# KiCad board radioboard_original.kicad_pcb (continued)
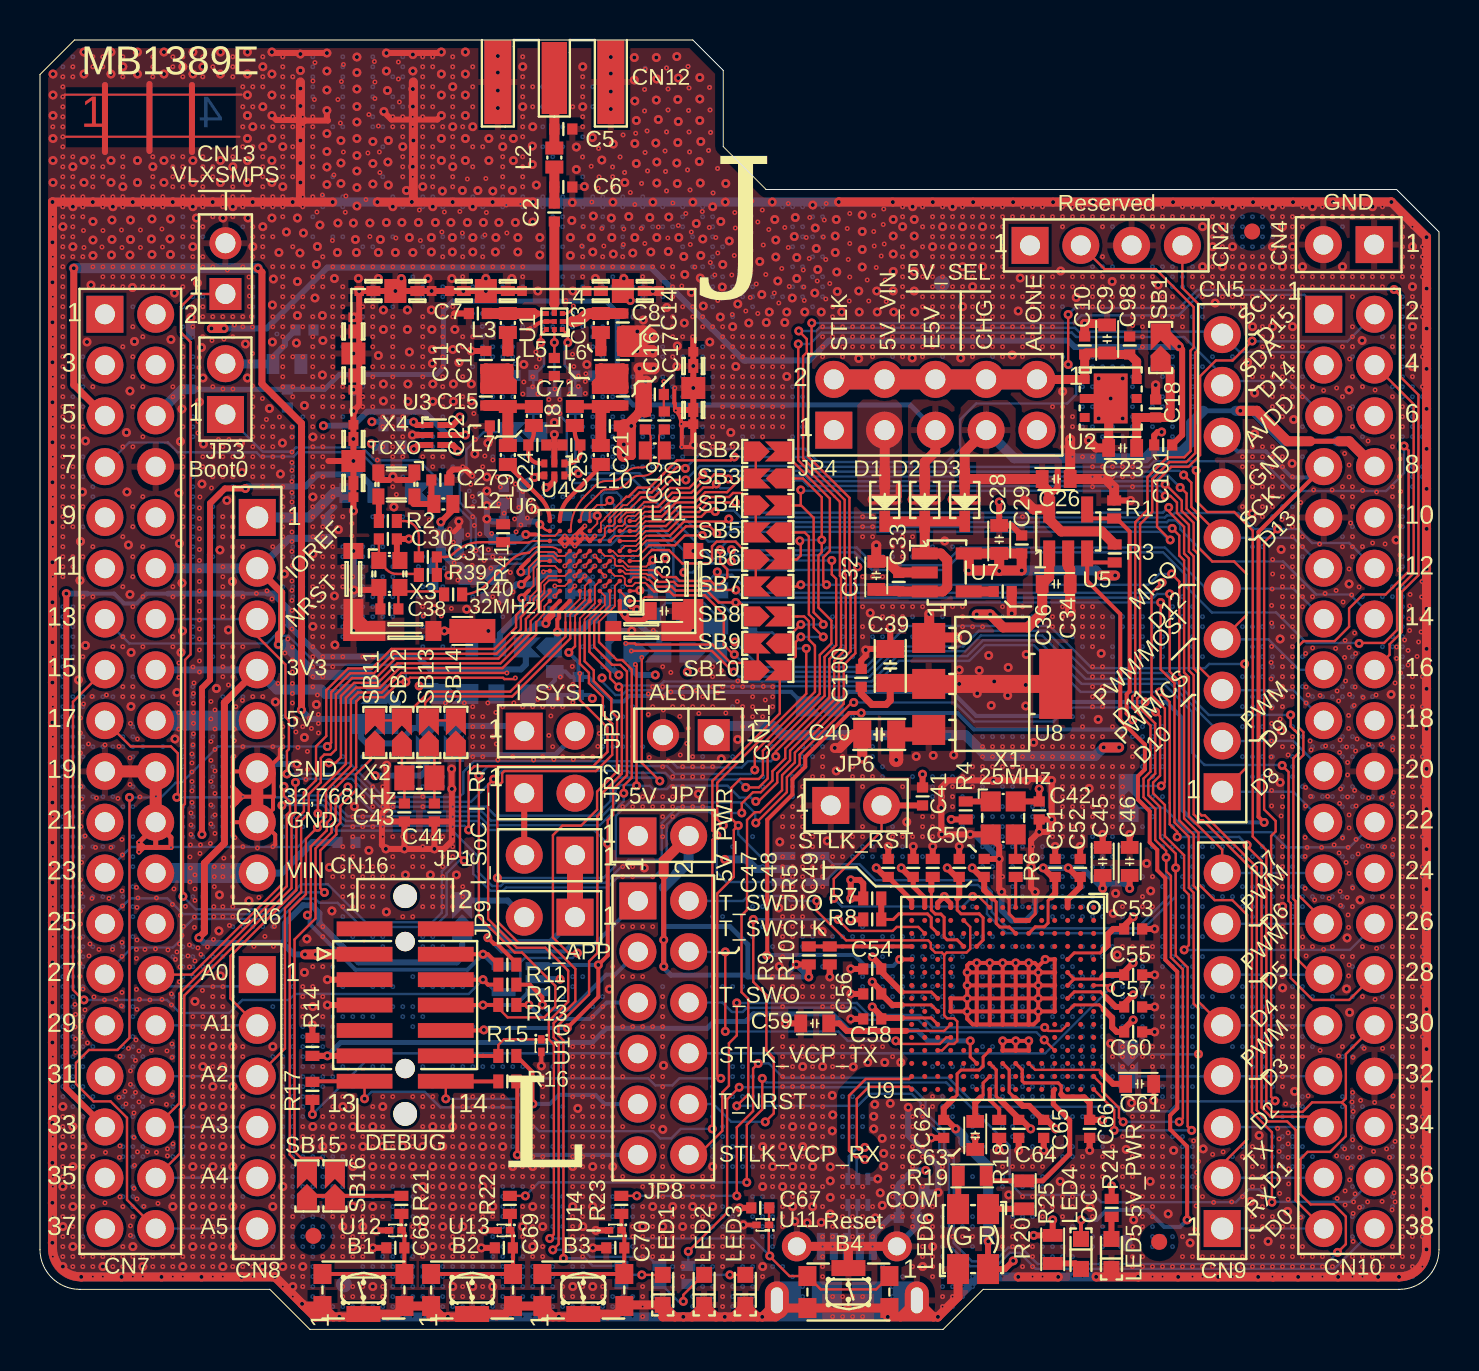
[diagram p0: board, top side]
## Nets (continued)
PC4: CN10.2 R27.1 U3.6 U4.6 U6.F3
PC5: CN10.4 R28.1 U6.E4
PC6: CN10.12 R23.2 U6.G2
PC13: CN7.23 SB15.2 U6.C7
PC14: CN7.25 SB11.1
PC15: CN7.27 SB14.1
PH3: JP3.1 SB19.1 U6.J5
RFI_N: C19.2 L11.1 U6.H7
RFI_P: C20.1 L11.2 U6.J6
STD_ALONE_5V: CN11.1 JP4.9
STLK_LED: R19.2 R20.2 U9.D15
STLK_NRST: C41.2 JP6.2 U9.J1
STLK_SWCLK: CN2.2 U9.A14 U15.4
STLK_SWDIO: CN2.4 U9.A15 U15.5
STLK_VCP_RX: JP8.12 U9.C10
STLK_VCP_TX: JP8.8 U9.A7
T_NRST: B4.1 B4.3 C67.2 CN6.3 CN7.14 CN16.12 R15.1 U6.F5 U10.1 U11.1
T_NRSTa: JP8.10 U9.P3
T_PWR_EN: R1.2 U5.4 U9.R5
T_PWR_EXT: R9.2 R10.2 U9.R4
T_SWCLKa: JP8.4 U9.M11
T_SWDIOa: JP8.2 U9.L2 U9.N12
T_SWO: CN16.8 R13.1 SB8.2 U16.3
T_SWOa: JP8.6 U9.D12
T_VCP_RX: CN16.13 R17.2 SB5.1 SB10.2 U15.1
T_VCP_TX: CN16.14 R16.1 SB3.1 SB6.2 U15.3
USB_DEV_HS_CN_N: CN1.2 U17.5
USB_DEV_HS_CN_P: CN1.3 U17.6
USB_DEV_HS_N: U9.R14 U17.2
USB_DEV_HS_P: U9.R15 U17.1
XTA: C31.2 R39.1 R41.2 U6.G9

Pads without a net: CN1 4; CN7 1 2 3 4 9 10 11 21 26 29 31 35 37; CN10 6 10 18 24 34; CN16 1 2 9; MIRE-PL-1 1; MIRE-PL-2 1; MIRE-PL-3 1; MIRE-PL-4 1; MIRE-PL-5 1; MIRE-PL-6 1; U2 3 5; U9 A1 A2 A3 A4 A5 A6 A8 A9 A10 A11 A12 A13 B1 B2 B3 B4 B5 B6 B7 B8 B9 B10 B11 B12 B13 B14 B15 C2 C3 C4 C11 C12 C13 C14 C15 D1 D2 D3 D4 D10 D11 D13 D14 E1 E2 E3 E4 E12 E13 E14 E15 F1 F4 F14 F15 G4 G14 G15 H1 H2 H3 H4 H14 H15 J2 J3 J4 K1 K2 K3 K12 K14 K15 L1 L3 L12 L13 L14 L15 M2 M3 M4 M5 M6 M7 M12 M13 M14 M15 N2 N4 N5 N6 N7 N11 N13 N14 N15 P2 P4 P5 P6 P7 P8 P9 P10 P11 P12 P13 P14 P15 R2 R3 R6 R7 R8 R9 R10 R11 R12 R13; U17 4

## Via types
v1: diameter 0.45, hole 0.2, Top Layer to Bottom Layer, 1295 vias
v2: diameter 0.25, hole 0.1, Top Layer to Signal Layer 1, 4148 vias
v3: diameter 0.25, hole 0.1, Signal Layer 2 to Bottom Layer, 4578 vias

## Routing (per net, layer and track width the routed paths; a pad name or vN(x,y) marks a point on that pad's centre or on a via; arc(x,y) is an arc through that point)
3V3: length 146.8
  Top Layer w0.3: C101.2 57.12,44.72 57.12,49 v1(56.98,49.15)
  Top Layer w0.35: 9.22,31.34 CN6.4 ; 9.22,31.34 9.67,31.79 ; 9.22,31.34 9.22,24.31 8.22,23.31 8.22,19.86 ; 8.22,19.86 8.22,21.85 ; 8.22,19.86 v1(7.95,19.58)
  Top Layer w0.45: v1(56.98,49.15) 56.42,49.7 SB1.2 ; v1(8.58,50.05) v1(9.2,50.05)
  Top Layer w0.5: CN16.3 v1(14.37,18.76) 13.81,18.76 v1(13.8,18.75) ; v1(13.25,18.75) v1(13.8,18.75) ; v1(13.8,18.75) 13.83,18.75
  Top Layer w0.8: JP9.1 JP1.1
  Signal Layer 2 w0.35: CN6.4 8.64,32.98 8.1,33.52 ; 8.1,33.52 8.1,41.22 9.1,42.22 9.1,43.07 9.6,43.57 10.25,43.57 10.95,44.27 10.95,49.52 10.42,50.05 v1(9.2,50.05) v1(8.58,50.05) ; 8.1,33.52 7.56,32.98 CN7.16 ; v1(13.25,18.75) v1(13.8,18.75) 14.36,18.75 v1(14.37,18.76)
  Bottom Layer w0.3: 21.19,20.08 22.77,20.08 23.47,19.38 25.52,19.38 26.76,20.61 JP9.1 ; 21.19,20.08 21.11,20.08 ; 21.19,20.08 SB32.1 ; 21.11,20.08 21.11,18.62 20.85,18.35 15.93,18.35 13.97,20.31 13.97,20.81 13.58,21.21 13.15,21.21 12.25,20.3 12.25,19.45 12.12,19.32 ; 21.11,20.08 21.03,20.08 ; 21.11,20.08 SB32.1 ; 20.92,19.97 21.03,20.08 ; 21.03,20.08 SB32.1 ; v1(7.95,19.58) 8.21,19.32 12.12,19.32 ; 56.98,49.12 51.75,49.12 51.43,49.44 39.46,49.44 38.47,48.45 35.3,48.45 35.3,48.45 35.2,48.45 33.58,50.07 30.55,53.1 14.38,53.1 11.33,50.05 v1(9.2,50.05) v1(8.58,50.05) ; 12.12,19.32 12.7,18.75 v1(13.25,18.75) v1(13.8,18.75) 14.36,18.75 v1(14.37,18.76)
  Bottom Layer w0.35: CN7.16 CN6.4
  Bottom Layer w0.45: 56.98,49.12 v1(56.98,49.15)
  Bottom Layer w0.5: CN6.4 11.85,31.99 14.05,31.99 14.27,31.77 SB25.1
3V3_STLK: length 209.2
  Top Layer w0.15: 45.67,11.52 45.87,11.72 45.87,12.77 46.07,12.97 46.97,12.97 47.17,13.17 47.17,13.62 U9.J12 ; 53.3,16.62 53.05,16.88 51.73,16.88 U9.C8 ; 45.87,21.55 45.87,20.97 46.07,20.78 46.97,20.78 47.17,20.58 47.17,19.47 U9.K4 ; U9.C7 51.72,17.52 ; 51.72,17.52 53.05,17.52 53.12,17.6 ; 51.72,17.52 51.4,17.84 U9.C6 ; 47.65,21.55 47.83,21.38 47.83,20.3 48,20.12 48.48,20.12 U9.G3 ; U9.N9 44.58,16.22 43.1,16.22 ; U9.N8 44.58,16.87 43.11,16.87 ; U9.C5 51.73,18.82 53.02,18.82 53.2,19 ; U9.F3 49.78,20.13 50.23,20.13 50.42,20.32 50.42,21.45 50.58,21.6 ; 43.12,15.57 44.58,15.57 U9.N10 ; U9.C9 51.73,16.22 52.98,16.22 53.2,16
  Top Layer w0.16: 49.35,12.32 50.92,12.32 51.08,12.17 51.08,11.75 ; 48.02,11.45 47.83,11.65 47.83,12.97 U9.J13 ; 48.75,11.57 48.48,11.85 48.48,12.97 U9.H13 ; 49.32,12.32 49.22,12.32 49.12,12.42 49.12,12.97 U9.G13
  Top Layer w0.25: U9.R1 43.6,21.45 C47.2 ; C48.2 43.67,22.15 44.25,21.57 U9.P1
  Top Layer w0.3: 53.2,19 53.4,19.2 53.4,19.75 53.67,20.02 C53.2 54.23,20.17 v1(54.67,20.62) ; v1(53.15,22.05) C45.2 ; 47.65,21.55 47.23,21.97 C50.2 47.08,22.62 v1(46.62,23.07) ; U9.C1 51.4,21.5 52.02,22.12 C52.2 51.87,22.62 v1(51.42,23.07) ; v1(45.58,25.5) R4.1 ; 54.17,15.02 54.23,15.02 ; 54.23,15.02 C60.2 53.85,14.88 53.62,15.1 53.62,15.58 53.2,16 ; 54.23,15.02 v1(54.67,15.47) ; v1(54.67,16.72) 54.23,16.27 C57.2 53.8,16.12 53.3,16.62 ; v1(48.67,3.42) 48.27,3.01 LED6.4 47.42,4.39 v1(47.42,4.4) ; 53.12,17.6 53.25,17.72 C55.2 54.23,17.88 v1(54.67,18.32) ; v1(53.15,10.47) C66.2 52.5,11.32 52.23,11.6 51.23,11.6 51.08,11.75 ; v1(45.37,23.07) 45.83,22.62 C49.2 45.98,21.65 45.87,21.55 ; 50.58,21.6 50.77,21.8 C51.2 50.62,22.62 v1(50.17,23.07) ; 48.75,11.57 49.15,11.17 49.48,11.17 50.15,10.5 50.2,10.5 ; v1(49.98,27.02) C42.2 X1.4 ; v1(41.62,18.62) 42.08,18.17 C54.2 42.08,17.9 43.11,16.87 ; v1(41.62,16.12) 42.08,15.67 C58.2 42.12,15.57 43.12,15.57 ; 48.05,11.45 48.95,10.55 C64.2 49.1,10.47 v1(49.55,10.02) ; v1(50.8,10.02) 50.35,10.47 C65.2 ; 45.67,11.52 45.2,11.05 45.2,10.62 45.35,10.47 ; 45.35,10.47 v1(45.8,10.02) ; 45.35,10.47 C62.2 ; v1(41.83,23.07) 42.27,22.62 C47.2 ; v1(43.08,23.07) 43.52,22.62 C48.2 ; 43.1,16.22 42.62,16.22 C56.2 42.08,16.92 v1(41.62,17.38) ; v1(54.5,22.05) C46.2 ; v1(40.55,21.55) v1(40.55,22.47) 41,22.47 41.17,22.3 R7.1 v1(40.55,21.55)
  Top Layer w0.5: 47.98,37.95 v1(49.1,37.95) C29.2 C28.2 ; 47.98,37.95 C28.2 ; 47.98,37.95 47.95,37.95 ; 47.98,37.95 v1(47.98,37.92) 47.95,37.95 ; C28.2 U7.5 v1(46.45,37.95) 47.95,37.95 ; v1(53.05,37.7) v1(53.77,37.7)
  Signal Layer 2 w0.3: v1(54.67,18.32) 54.75,18.32 ; v1(54.67,18.32) v1(54.67,16.72) v1(54.67,15.47) 54.67,12.85 53.15,11.32 v1(53.15,10.47) 52.7,10.02 v1(50.8,10.02) v1(49.55,10.02) 48.85,10.72 46.5,10.72 v1(45.8,10.02) ; v1(54.67,18.32) v1(54.67,20.62) 54.67,21.88 v1(54.5,22.05) 54.5,23.6 56.85,25.95 56.85,34.72 53.87,37.7 v1(53.77,37.7) ; v1(54.67,18.32) 54.58,18.23 52.2,18.23 49.95,20.47 41.62,20.47 ; v1(45.37,23.07) v1(43.08,23.07) v1(41.83,23.07) 41.15,23.07 v1(40.55,22.47) v1(40.55,21.55) 41.62,20.47 ; v1(45.37,23.07) v1(46.62,23.07) ; v1(45.37,23.07) 45.37,24.32 45.59,24.54 45.59,25.48 v1(45.58,25.5) 46.73,26.65 49.6,26.65 v1(49.98,27.02) ; v1(53.77,37.7) 53.77,43.07 55.08,44.38 55.08,50.05 52.85,52.27 50.35,52.27 49.52,53.11 CN2.1 49.52,54.2 ; v1(53.77,37.7) v1(53.05,37.7) ; v1(41.62,16.12) v1(41.62,17.38) v1(41.62,18.62) 41.62,20.47
  Signal Layer 2 w0.35: v1(49.1,37.95) 48,37.95 v1(47.98,37.92) 46.48,37.92 v1(46.45,37.95) ; v1(48.67,3.42) 48.4,3.42 v1(47.42,4.4)
  Bottom Layer w0.3: v1(50.17,23.07) v1(51.42,23.07) 52.12,23.07 v1(53.15,22.05) 53.39,22.29 54.26,22.29 v1(54.5,22.05)
  Bottom Layer w0.5: 47.95,37.95 v1(47.98,37.92) ; 47.95,37.95 v1(49.1,37.95) 52.8,37.95 v1(53.05,37.7) v1(53.77,37.7) ; 47.95,37.95 v1(46.45,37.95) ; v1(45.8,10.02) 46.18,9.64 46.18,9.38 47.42,8.13 v1(47.42,4.4)
5V: length 112.6
  Top Layer w0.45: U2.6 54.85,48.4 C98.2 53.45,48.75 C9.2 52.33,48.82 C10.2 U2.1 49.87,47.5 JP4.10 49.87,47.52
  Top Layer w1: JP4.10 JP4.8 JP4.6 JP4.4 JP4.2
  Signal Layer 2 w0.35: JP4.10 JP4.8 JP4.6 JP4.4 JP4.2 36.25,44.05 36.25,37.27 37.4,36.13 37.4,28.06 36.83,27.48 36.83,25.2 34.42,22.8 31.78,22.8 JP7.1 28.2,22.97 28.2,20.12 27.47,19.39 26.49,19.39 25.27,18.17 22,18.17 20.09,20.09 20.09,22.9 19.69,23.3 16.36,23.3 14.52,25.14 14.52,26.38 13.99,26.91 13.99,27.96 11.51,30.44 CN6.5 CN7.18
  Bottom Layer w1: JP4.2 JP4.4 JP4.6 JP4.8 JP4.10 ; CN7.18 CN6.5
5V_PWR: length 57.2
  Top Layer w0.25: 31.2,22.72 v1(31.2,19.47) 31.2,18.15
  Top Layer w0.3: v1(37.82,18.25) R9.1 v1(38.45,17.62) ; R24.1 v1(53.6,7.17)
  Top Layer w0.5: JP7.2 31.2,23.42 31.2,22.72
  Signal Layer 2 w0.25: 31.2,18.07 v1(31.2,19.47)
  Signal Layer 2 w0.35: v1(53.6,7.17) 52.62,8.15 46.92,8.15 46.12,8.95 44.46,8.95 43.98,9.44 43.98,13.38 43.44,13.91 40.94,13.91 39.85,15 38.45,16.4 v1(38.45,17.62) v1(37.82,18.25)
  Bottom Layer w0.25: 31.2,20.15 v1(31.2,19.47) 31.2,18.07 31.55,17.71 35.31,17.71 35.4,17.62 ; 31.2,20.15 34.5,20.15 35.4,19.25 35.4,17.62 ; 31.2,20.15 31.2,22.1 ; 35.4,17.62 37.2,17.62 ; 37.2,17.62 v1(38.45,17.62) ; 37.2,17.62 v1(37.82,18.25)
  Bottom Layer w0.3: v1(37.82,18.25) v1(38.45,17.62)
  Bottom Layer w0.5: 32.45,23.41 32.45,23.34 31.2,22.1 ; 32.45,23.41 31.81,22.77 ; 32.45,23.41 JP7.2
  vias: v1(31.2,18.15)
5V_USB_CHGR: length 138.2
  Top Layer w0.25: 63.53,44.41 64.99,44.41
  Top Layer w0.3: 50.9,42.92 50.9,42.11 50.67,41.88 50.48,41.88 ; v1(49.7,4.7) R25.2 v1(50.65,5.47)
  Top Layer w0.5: U5.5 49.7,41 49.25,41.45 ; U5.5 50.48,40.5 51.08,39.9 53.1,39.9 R3.2 ; U5.5 50.48,41.88 50.12,42.22 C26.2 46.27,42.52 D3.1 ; D3.1 46.25,43.89 JP4.7 ; D3.1 46.25,41.5 ; CN10.8 65.48,44.41 64.99,44.41 ; 46.25,41.5 v1(46.8,41.5) ; 46.25,41.5 v1(46.23,41.5) v1(45.65,41.5) ; v1(60.03,45.93) 60.86,45.93 62.39,44.41 63.53,44.41
  Signal Layer 2 w0.35: 46.23,42.07 v1(45.65,41.5) v1(46.23,41.5) ; 46.23,42.07 v1(46.8,41.5) v1(46.23,41.5) ; 46.23,42.07 46.23,42.47 47.32,43.57 JP4.7 ; 46.23,42.07 v1(46.23,41.5) ; v1(60.03,45.93) 60.86,45.93 62.4,44.4 65.49,44.4 CN10.8 68.83,41.06 68.83,4.65 67.5,3.32 52.8,3.32 v1(50.65,5.47) 49.87,4.7 v1(49.7,4.7) 48.52,4.7 45.62,7.6 44.65,7.6 v1(44.3,7.95)
  Bottom Layer w0.25: 63.14,44.41 64.88,44.41 ; 58.18,45.93 59.8,45.93
  Bottom Layer w0.3: CN1.1 41.66,4.73 42.52,5.6 C90.2 42.95,6.82 U18.1 42.98,7.28 43.65,7.95 v1(44.3,7.95)
  Bottom Layer w0.5: 58.18,45.93 57.58,45.32 57.58,44.38 57.08,43.88 55.59,43.88 55.27,43.56 48.73,43.56 JP4.7 ; CN10.8 65.48,44.41 64.88,44.41 ; 63.14,44.41 62.21,44.41 60.69,45.93 59.8,45.93 ; v1(45.65,41.5) v1(46.8,41.5)
5V_USB_STLK: length 22
  Top Layer w0.5: v1(46.85,35.75) v1(47.52,35.75) 48.17,35.1 49.4,35.1 50.12,35.82 C34.2 50.48,37.63 U5.1
  Signal Layer 2 w0.35: JP4.1 39.7,40.3 42.62,37.38 44.4,37.38 46.02,35.75 v1(46.85,35.75) v1(47.52,35.75)
  Bottom Layer w0.5: v1(46.85,35.75) v1(47.52,35.75)
5V_VIN: length 125.8
  Top Layer w0.3: v1(8.1,24.75) 8.1,32.07 8.5,32.47 8.5,38.76 8.5,38.77 8.5,41.31 ; v1(10.27,42.05) 9.25,42.05 8.5,41.31 ; 8.5,41.31 9.01,41.81 ; 42.95,42.17 42.95,41.65 v1(42.8,41.5)
  Top Layer w0.35: C100.2 41.08,31.77 41.6,31.25 42.33,31.25 42.52,31.45 C39.2
  Top Layer w0.5: v1(41.65,41.5) v1(42.23,41.5) 42.25,41.5 ; 42.25,41.5 D1.1 42.25,44.96 JP4.3 ; 42.25,41.5 v1(42.8,41.5)
  Top Layer w0.9: U8.4 v1(45.98,32.27) U8.2 44.4,32.32 C39.2
  Signal Layer 2 w0.35: 8.22,24.72 8.22,24.75 8.88,24.09 12.75,24.09 16.16,20.68 16.16,19.25 19.77,15.64 26.09,15.64 28.03,17.58 34.11,17.58 34.9,18.38 34.9,21.02 38.23,24.35 38.23,27.52 39.2,28.5 40.1,28.5 43.87,32.27 ; v1(42.23,41.5) v1(42.8,41.5) ; v1(42.23,41.5) 42.23,42.07 ; v1(42.23,41.5) 42.23,40.92 ; v1(42.23,41.5) v1(41.65,41.5) ; v1(42.8,41.5) 42.23,40.92 ; v1(42.8,41.5) 42.23,42.07 ; 43.87,32.27 v1(45.98,32.27) 47.6,32.27 v1(47.73,32.4) v1(48.42,33.1) 48.67,33.1 v1(49.33,33.75) 50.25,34.67 50.25,39.02 49.17,40.1 42.65,40.1 42.23,40.52 42.23,40.92 ; 43.87,32.27 45.33,32.27 ; 42.23,40.92 v1(41.65,41.5) ; 42.23,42.07 42.23,44.95 JP4.3 ; 42.23,42.07 v1(41.65,41.5)
  Bottom Layer w0.3: v1(10.27,42.05) 10.38,42.15 13.27,42.15 13.88,42.75 16.02,42.75 16.7,42.07 R31.2
  Bottom Layer w0.5: v1(41.65,41.5) v1(42.8,41.5)
  vias: v1(45.98,32.97) v1(46.87,31.8) v1(46.98,32.95) v1(47.45,33.7) v1(47.58,31.2) v1(48.4,31.7) v1(49.3,32.22) v1(49.3,31.17)
AVDD: length 55.8
  Top Layer w0.2: CN10.7 60.95,39.88 60.95,25.63 v1(61.23,25.35) ; 55.25,31.38 v1(55.27,31.38)
  Bottom Layer w0.2: 40.43,31.88 41.62,31.88 ; 40.43,31.88 39.7,31.15 SB26.1 ; 40.43,31.88 45.62,31.88 46.83,30.67 ; v1(55.27,31.38) 51.1,31.38 50.4,30.67 46.83,30.67 ; v1(55.27,31.38) 55.25,31.4 ; v1(55.27,31.38) 56.33,31.38 57.15,30.55 57.15,25.95 57.75,25.35 v1(61.23,25.35) ; 46.83,30.67 47.52,30.67 ; CN5.8 59.89,43.9 61.31,43.9 62.61,42.6 63.67,42.6 CN10.7 ; CN5.8 59.12,44.67 58.92,44.67 58.93,44.66 CN5.8
GND: length 1466.1
  Top Layer w0.09: U6.A1 30.05,36.42 30.25,36.62 30.47,36.62 ; U6.D9 25.17,37.92 25.17,37.88 v2(25.18,37.88)
  Top Layer w0.1: 9.98,59.64 v3(1.14,59.64) ; v3(1.14,61.64) 1.25,61.74 10.08,61.74
  Top Layer w0.12: v2(28.25,38.17) U6.E3 ; 30.47,36.62 30.62,36.62 ; U6.B7 v2(26.75,37.17)
  Top Layer w0.15: v1(49.77,21.88) 49.77,20.77 U9.F2 ; U9.G2 48.47,20.78 48.47,21.5 v1(48.1,21.88)
  Top Layer w0.2: 9.83,26.95 v2(10.14,26.64) ; 9.83,26.95 9.83,26.64 ; 9.83,26.95 v3(9.64,27.14) ; v2(10.14,26.64) 9.83,26.32 ; v2(10.14,26.64) 10.85,26.64 ; v2(10.14,26.64) 9.83,26.64 ; 11.69,26.64 11.69,27.8 10.97,27.8 CN6.6 ; 11.69,26.64 10.85,26.64 ; 11.69,26.64 11.66,26.61 11.66,26.02 11,25.36 ; U6.H6 v2(27.25,40.17) ; U6.H6 v2(26.75,39.67) ; U6.H6 v2(27.25,39.67) ; CN6.6 11.26,27.9 11.99,28.64 11.99,28.99 v2(12.14,29.14) ; CN6.6 9.72,27.9 9.64,27.82 ; v1(49.92,17.2) v1(49.92,17.85) ; v1(49.92,17.2) U9.F7 ; v1(49.92,17.2) U9.D7 ; v1(49.92,17.2) v1(49.92,16.55) ; v1(49.92,17.85) U9.D6 ; v1(49.92,17.85) U9.F6 ; v1(49.92,17.85) 49.92,18.15 ; U9.D7 U9.D6 ; U9.D7 U9.D8 ; U9.D6 U9.D5 v1(50.27,18.5) 49.92,18.15 ; U9.F7 U9.F6 ; U9.F7 U9.G7 ; U9.F7 U9.F8 ; U9.F6 v1(49.45,18.32) ; U9.F6 U9.G6 ; U9.G7 U9.G6 ; U9.G7 U9.G8 ; U9.G7 U9.H7 ; v1(49.92,15.9) U9.D9 U9.D8 ; v1(49.92,15.9) U9.F9 ; v1(49.92,15.9) 49.92,15.47 49.7,15.25 U9.F10 ; v1(49.92,15.9) v1(49.92,16.55) ; U6.G6 v2(26.75,39.17) U6.G7 ; U6.G6 v2(27.25,39.67) ; U6.G6 v2(26.75,39.67) ; U6.G7 v2(26.25,39.67) U6.G8 v2(26.25,39.17) U6.G7 ; U6.G7 v2(26.75,39.67) ; v1(35.17,5.22) U11.2 ; v1(46.37,16.55) v1(46.37,17.2) ; v1(46.37,16.55) U9.M8 U9.M9 v1(46.37,15.9) ; v1(46.37,16.55) U9.K8 ; v1(46.37,16.55) v1(46.37,15.9) ; v1(46.37,17.2) v1(46.37,17.85) ; v1(46.37,17.2) U9.K7 ; U9.H8 U9.H7 ; U9.H8 U9.G8 ; U9.H8 U9.J8 ; U9.H8 U9.H9 ; U9.H7 U9.H6 ; U9.H7 U9.J7 ; U9.J9 U9.J8 ; U9.J9 U9.J10 ; U9.J9 U9.H9 ; U9.J9 U9.K9 ; U9.J8 U9.K8 ; U9.J8 U9.J7 ; U9.H10 U9.G10 ; U9.H10 U9.J10 ; U9.H10 U9.H9 ; U9.G10 U9.F10 ; U9.G10 U9.G9 ; U9.K8 U9.K7 ; U9.K8 U9.K9 ; U9.K7 U9.J7 ; U9.K7 U9.K6 ; 49.92,18.15 49.75,18.32 v1(49.45,18.32) ; v1(48.8,14.42) v1(48.15,14.42) U9.H12 U9.G12 ; v1(48.8,14.42) v1(49.45,14.42) U9.F12 U9.G12 ; v1(48.8,14.42) U9.G12 ; U9.H6 v1(48.15,18.32) ; U9.H6 U9.G6 ; U9.H6 U9.J6 ; 31.79,45.96 31.76,45.99 31.76,46.29 31.73,46.32 31.73,47.07 ; 31.79,45.96 v2(31.8,45.95) ; 31.79,45.96 arc(31.8,45.95) v2(31.8,45.95) ; U9.G6 v1(48.8,18.32) ; v1(46.85,18.32) v1(47.5,18.32) ; v1(46.85,18.32) U9.K6 ; v1(46.85,18.32) 46.5,18.32 46.37,18.2 v1(46.37,17.85) ; v1(47.5,18.32) v1(48.15,18.32) ; v1(47.5,18.32) U9.J6 ; U9.G9 U9.G8 ; U9.G9 U9.F9 ; U9.G9 U9.H9 ; U9.G8 U9.F8 ; v2(11.64,24.14) 11.76,24.26 11.76,24.74 11.14,25.36 11,25.36 ; v1(48.15,18.32) v1(48.8,18.32) ; v1(48.8,18.32) v1(49.45,18.32) ; U9.K10 46.65,15.25 46.37,15.52 v1(46.37,15.9) ; U9.K10 U9.K9 ; U9.K10 U9.J10 ; U9.F9 U9.F8 ; U9.F9 U9.F10 ; 10.85,26.64 10.87,26.62 ; U9.K9 v1(46.37,15.9) ; v1(49.92,16.55) U9.D8 ; v1(49.92,16.55) U9.F8 ; v2(9.74,24.59) 9.64,24.69 9.64,25.35 ; v1(46.37,17.85) U9.K6 ; v3(9.64,26.14) v2(9.64,26.64) ; v3(9.64,26.14) 9.64,25.35 ; v3(9.64,26.14) 9.83,26.32 ; v2(9.64,26.64) 9.83,26.64 ; v2(9.64,26.64) v3(9.64,27.14) ; U9.J7 U9.J6 ; U9.J6 U9.K6 ; 11,25.36 CN6.7 9.65,25.36 9.64,25.35 ; v1(25.08,13.17) U10.2 ; 9.64,27.82 v3(9.64,27.14) ; 9.64,27.82 9.64,28.61 v2(9.69,28.66) ; 9.83,26.64 9.83,26.32 ; U1.9 U1.6 25.29,50.4 arc(25,50.34) 24.75,50.18 ; v2(27.25,39.67) U6.G5 v2(27.75,39.67) ; v2(31.8,45.95) arc(32,45.64) v2(32.07,45.28) arc(32.09,45.25) 32.1,45.21 v2(32.1,44.13) 32.43,44.13 arc(32.56,44.15) v1(32.67,44.23) ; v1(55.7,11.45) C61.1 ; 24.53,50.08 arc(24.47,50.04) 24.4,50.02
  Top Layer w0.25: 5.17,24.1 v2(4.95,23.88) v2(4.95,24.35) ; 5.17,24.1 5.8,24.1 ; 5.17,24.1 5.17,24.12 v2(4.95,24.35) ; 5.8,24.1 5.79,24.11 5.79,25.19 ; 5.8,24.1 v2(6.55,24.1) 6.55,24.6 CN7.22 5.79,25.19 ; 20.95,40.35 20.95,40.12 20.7,39.88 ; U9.N1 44.9,21.32 v1(45.23,21.65) 45.23,21.62 45.55,21.3 U9.M1 ; v2(4.95,24.35) 5.79,25.19 ; U9.G2 U9.F2
  Top Layer w0.3: v1(17.2,60.9) 17.2,60.88 17.58,60.5 19.87,60.5 v1(20.08,60.7) ; 19.73,24.03 v1(19.73,24.03) 20.2,24.03 20.6,24.42 20.6,25.4 ; 19.73,24.03 19.72,24.03 18.23,24.03 v1(18.23,24.03) ; 19.73,24.03 C44.2 ; v1(47.98,23.52) 47.98,24.17 47.55,24.6 X1.2 v1(46.52,24.75) v1(45.1,24.75) 45.08,24.77 45.08,26.07 ; v1(47.98,23.52) 47.98,22 v1(48.1,21.88) ; v1(47.98,23.52) C50.1 47.3,23.6 ; C41.1 v1(44.14,27.76) ; v1(35,6.07) C67.1 ; C29.1 48.6,40.2 C28.1 v1(47.98,41.38) ; v1(22.42,34.92) v1(20.23,34.92) 19.52,34.92 19.45,34.85 ; 24.15,51.92 v1(21.17,51.92) v1(15.96,51.92) 15.96,46.21 v1(15.67,45.92) v1(15.67,44.52) v1(15.67,43.42) ; C55.1 v1(55.75,17.72) ; C44.2 20.6,25.4 ; C44.2 C43.2 ; 20.6,25.4 v1(20.6,27.02) 20.59,27.04 v1(20.59,28.02) ; v1(14.37,16.22) CN16.7 ; v1(15.67,40.92) SC3.1 ; SC3.1 v1(15.67,43.42) ; SC3.1 15.71,41.65 ; C100.1 41.08,33.45 41.3,33.67 v1(41.3,33.97) 41.35,34.02 C39.1 v1(42.52,35.1) ; 17.1,25.4 17.1,25.8 17.34,26.04 v1(17.34,28.21) ; 17.1,25.4 C43.2 ; 17.1,25.4 17.1,24.22 v1(17.3,24.02) 18.22,24.02 v1(18.23,24.03) ; v1(49.98,24.88) C42.1 v1(50.6,25.5) ; v1(49.98,24.88) 49.57,24.47 v1(49.57,23.12) 49.57,22.08 v1(49.77,21.88) ; v1(49.98,24.88) 50.37,24.88 50.6,25.1 v1(50.6,25.5) ; C49.1 v1(45.98,24.15) ; 18.67,42.47 17.83,42.47 v1(17.65,42.65) 17.47,42.47 16.87,42.47 ; 3.25,58.88 3.25,62.22 ; R14.1 v1(13.62,15.22) ; v1(40.55,16.77) C56.1 ; v1(22.23,4.95) U13.2 ; v1(56.1,44.88) 55.9,44.88 55.73,44.7 C101.1 ; v1(52.5,8.95) C66.1 ; v1(15.67,43.42) 14.42,43.42 ; v1(18.45,39.52) C30.1 17.85,38.6 X3.4 ; v1(50.6,25.5) 50.6,27.45 v1(50.6,27.45) 50.53,27.52 49.45,27.52 49.37,27.45 v1(49.35,27.45) v1(47.67,27.45) 45.42,27.45 45.08,27.1 45.08,26.07 ; v1(14.35,60.95) 14.35,60.5 14.4,60.45 13.15,60.45 13.02,60.32 ; v1(18.23,24.03) C43.2 ; v1(18.62,44.72) U3.2 ; v1(27.8,4.95) U14.2 ; v1(14.37,17.49) CN16.5 ; v1(20.08,63.88) 20.02,63.92 19.92,63.82 v1(17.33,63.82) ; v1(16.65,4.07) C68.1 ; v1(40.55,15.52) C58.1 ; 32.67,49.57 v1(32.67,48.17) v1(32.67,47.07) SC1.1 ; SC1.1 31.85,45.97 arc(31.83,45.98) 31.81,45.99 ; SC1.1 SC1.1 ; v1(15.7,36.97) 16.83,36.97 X3.2 17.02,37.02 C38.1 ; U4.2 25.73,44.22 ; 25.73,44.22 C24.2 ; 25.73,44.22 C25.1 ; 25.73,44.22 25.73,44.8 ; v1(22.08,4.07) C69.1 ; 20.73,50.8 C7.1 ; v1(11.6,63.88) 11.62,63.9 11.7,63.82 v1(14.35,63.82) ; v1(11.6,60.7) 11.83,60.47 12.92,60.47 13.02,60.57 ; v2(21.62,42.67) 21.3,43 20.65,43 20.48,42.82 C27.1 ; C22.1 22.5,44.42 v1(22.4,44.32) ; 45.08,26.07 v1(45.08,26.07) ; 5.47,58.92 5.47,62.27 ; 7.6,58.88 7.6,62.22 ; SC1.1 32.22,45.27 arc(32.16,45.25) 32.1,45.21 ; SC1.1 v1(32.67,44.23) ; v1(40.55,20.5) R8.1 ; v1(47.98,8.95) R18.1 ; C51.1 v1(50.77,24.15) ; C60.1 v1(55.75,14.88) ; v1(48.95,8.95) C64.1 ; v1(39.5,17.62) R10.1 ; C63.1 v1(46.77,9.62) ; C52.1 v1(52.02,24.15) ; v1(37.27,15.3) C59.1 ; C45.1 v1(53.15,24.75) ; v1(44.58,9.57) C62.1 ; v1(21.58,48.92) C11.1 ; R5.1 v1(44.65,24.15) ; v1(16.8,4.95) U12.2 ; v1(27.65,4.07) C70.1 ; C46.1 v1(54.5,24.75) ; C53.1 v1(55.75,20.02) ; v1(50.2,8.95) C65.1 ; C57.1 v1(55.75,16.12) ; R1.1 v1(54.55,41.45) ; C47.1 v1(42.42,24.15) ; v1(40.55,18.02) C54.1 ; C48.1 v1(43.67,24.15)
  Top Layer w0.4: 29.2,45.11 29.91,45.82 arc(29.96,45.9) 29.98,45.99 ; 29.98,45.99 v1(29.98,48.05) ; 29.98,45.99 arc(29.94,45.79) 29.83,45.62 29.72,45.52 arc(29.61,45.36) v1(29.58,45.18) arc(29.59,45.15) 29.6,45.12 29.6,43.67 29.32,43.67 arc(29.26,43.69) v1(29.2,43.72)
  Top Layer w0.45: 33.82,0.62 v1(34.25,0.62) 34.68,0.62 ; 33.82,0.62 32.62,0.62 ; 33.82,0.62 LED2.2 32.62,0.62 ; v1(39.95,56.38) v1(67.59,56.38) v1(69.35,54.62) v1(69.35,4) arc(68.94,3.03) v1(67.97,2.62) 61.67,2.62 v1(52.83,2.62) ; 18.67,62.38 v1(18.67,59.45) 18.67,56.56 arc(18.65,56.46) 18.6,56.37 ; 36.86,1.36 CN1.8 ; 36.86,1.36 v1(36.12,0.62) ; 36.86,1.36 36.86,0.68 36.8,0.62 v1(36.12,0.62) ; 36.86,1.36 37.15,1.07 B4.4 B4.2 ; v1(48.93,2.62) v1(50.93,2.62) ; B3.1 25.67,0.62 ; B3.1 25.12,0.65 25.15,0.62 25.67,0.62 ; B3.1 B2.3 23.26,0.77 B2.5 21.47,0.62 v1(20.4,0.62) 20.1,0.62 ; 25.67,0.62 v1(25.95,0.62) 27.03,0.62 B3.5 28.82,0.77 B3.3 29.28,1.22 LED1.2 ; 13.21,1.17 13.76,0.62 14.67,0.62 ; 13.21,1.17 v1(13.11,1.28) v1(11.76,2.62) v1(2.06,2.62) arc(1.05,3.05) 0.62,4.06 v1(0.62,56.38) 0.63,56.37 v1(2.64,56.37) v1(4.64,56.37) v1(6.64,56.37) v1(8.64,56.37) v1(10.64,56.37) v1(12.64,56.37) 13.02,56.37 ; 13.21,1.17 B1.1 14.67,0.62 ; LED1.2 31.75,0.62 ; LED1.2 31.15,0.62 31.75,0.62 ; 31.75,0.62 v1(32.17,0.62) 32.62,0.62 ; 44.68,0.62 v1(44.91,0.62) 45.92,1.63 LED6.1 ; 44.68,0.62 CN1.9 43.03,0.62 ; 44.68,0.62 43.03,0.62 ; v1(36.12,0.62) 35.88,0.62 ; C9.1 53.3,50.3 v1(52.25,50.3) C10.1 ; 14.67,0.62 v1(14.98,0.62) 16.03,0.62 B1.5 17.83,0.77 B1.3 B2.1 ; B2.1 19.56,0.64 19.57,0.62 20.1,0.62 ; B2.1 20.1,0.62 ; 13.02,60.57 13.15,60.45 ; 13.02,60.57 v1(13.02,59.45) 13.02,56.37 ; 13.02,60.57 13.02,62.38 ; 13.02,56.37 v1(14.64,56.37) ; v1(16.87,56.37) 16.87,56.38 24.67,56.38 ; CN1.7 40.45,4.15 ; 40.45,4.15 40.43,4.13 B4.5 ; 40.45,4.15 CN1.6 ; 43.03,0.62 v1(42.4,0.62) ; 35.88,0.62 LED3.2 34.68,0.62 ; 35.88,0.62 34.68,0.62 ; v1(52.45,44.45) 52.83,44.07 C23.1 53.45,46.45 v1(53.55,46.55) U2.2 ; C18.1 v1(55.8,47.22)
  Top Layer w0.5: v1(41.12,28.55) C40.1 40.67,29.75 39.99,29.07 v1(39.75,29.07) ; v1(51.52,44.5) C26.1 53.3,42.52 53.72,42.1 R1.1 ; 44.48,34.6 v1(45.87,34.6) ; 44.48,34.6 v1(44.48,35.77) ; 44.48,34.6 U8.1 ; v1(48.6,35.8) C36.1 ; U7.2 42.98,37.85 C33.1 42.37,38.4 C32.1 v1(41.83,39.2) ; U5.2 51.42,38.12 51.52,38.02 C34.1 51.52,35.9 v1(51.55,35.9) ; C21.1 v1(29.58,45.17)
  Top Layer w0.6: CN6.7 CN6.6 ; CN7.19 CN7.20 CN7.22 ; 29.15,49.41 C8.1 v1(29.87,49.9) 30.15,49.9 ; 29.15,49.41 29.82,49.41 arc(30.23,49.49) v1(30.57,49.73) ; 29.15,49.41 C14.1 v1(29.87,48.92) 30.59,48.92 ; 30.15,49.9 arc(30.38,49.85) v1(30.57,49.72) ; 30.15,49.9 arc(30.38,49.85) v1(30.57,49.72) ; 30.59,48.92 arc(30.62,48.92) v1(30.65,48.9) arc(30.62,48.92) 30.59,48.92 ; v1(30.3,47.4) C17.1 30.3,45.96 arc(30.29,45.93) C19.1 ; v1(29.98,48.05) v1(30.7,48.05)
  Top Layer w0.7: v1(29.2,43.72) v1(29.2,44.25) 29.2,45.11 arc(29.21,45.15) 29.23,45.17
  Signal Layer 1 w0.1: v3(1.14,61.64) 1.25,61.74 10.08,61.74 ; v3(1.14,59.64) 9.98,59.64
  Signal Layer 1 w0.2: 32.67,35.52 34.7,35.52 35.48,34.75 35.48,32.65 35.2,32.38 34.17,32.38 33.23,33.32 30.64,33.32 30.6,33.27 ; 32.67,35.52 30.87,37.32 ; 32.67,35.52 v1(32.67,34.92) ; 25.18,39.15 25.2,39.17 v2(26.25,39.17) ; 25.18,39.15 v2(25.18,37.88) ; 25.18,39.15 25.18,39.65 25.2,39.67 v2(26.25,39.67) ; 30.05,32.72 v1(28.95,32.72) 28.95,32.85 27.6,34.2 27.6,36.2 26.75,37.05 v2(26.75,37.17) ; 30.05,32.72 30.05,32.05 29.55,31.55 v1(27.63,31.55) 25.18,34 ; 30.05,32.72 30.6,33.27 ; v1(31.27,38.55) 31.27,37.72 30.87,37.32 ; v2(28.25,38.17) 30.02,38.17 30.87,37.32 ; v2(26.75,39.67) v2(27.25,39.67) 27.73,40.15 28.85,40.15 29.55,40.85 29.55,43.67 28.95,44.27 ; v2(26.75,39.67) v2(26.25,39.67) ; v2(26.75,39.67) v2(26.75,39.17) v2(26.25,39.17) ; 30.6,33.27 30.6,33.92 v1(29.6,34.92) ; v2(26.25,39.67) v2(26.25,39.17)
  Signal Layer 1 w0.3: 3.25,58.88 3.25,62.22 ; 7.6,58.88 7.6,62.22 ; 5.47,58.92 5.47,62.27
  Signal Layer 1 w0.45: v1(0.62,56.38) 0.62,4.06 arc(1.05,3.05) v1(2.06,2.62) v1(11.76,2.62) v1(13.11,1.28) 13.76,0.62 v1(44.91,0.62) 46.91,2.62 61.67,2.62 v1(67.97,2.62) arc(68.94,3.03) v1(69.35,4) v1(69.35,54.62) v1(67.59,56.38)
  Signal Layer 1 w0.6: 10.83,27.95 10.87,27.91 CN6.6 CN6.7 ; 3.47,27.92 3.5,27.9 CN7.20 ; 5.85,27.88 5.8,27.82 v2(5.8,26.65) 5.79,26.64 CN7.22
  Signal Layer 2 w0.1: v3(1.14,59.64) 9.98,59.64 ; v3(1.14,61.64) 1.25,61.74 10.08,61.74
  Signal Layer 2 w0.3: 3.25,62.22 3.25,58.88 ; 7.6,58.88 7.6,62.22 ; 29.48,28.97 30.42,28.97 CN11.2 ; 5.47,58.92 5.47,62.27 ; v1(15.67,38.92) 16.67,38.92 17.17,38.42 17.9,39.15 18.1,39.15 ; 29.2,43.77 v1(29.2,43.72) 29.2,43.62 26.45,40.88 24.87,40.88 v1(24.75,41) 25.08,41.32 26.87,41.32 28,42.45
  Signal Layer 2 w0.45: 13.76,0.62 v1(44.91,0.62) 46.91,2.62 61.67,2.62 v1(67.97,2.62) arc(68.94,3.03) v1(69.35,4) v1(69.35,54.62) v1(67.59,56.38) v1(0.62,56.38) 0.62,4.06 arc(1.05,3.05) v1(2.06,2.62) v1(11.76,2.62) v1(13.11,1.28) 13.76,0.62
  Signal Layer 2 w0.5: v1(28.95,32.72) 29.7,33.47 33.05,33.47 33.05,32.02 31.16,30.13 CN11.2
  Bottom Layer w0.1: 10.08,61.74 1.25,61.74 v3(1.14,61.64) ; 9.98,59.64 v3(1.14,59.64)
  Bottom Layer w0.2: v1(27.63,31.55) 27.65,31.58 27.65,31.6 27.52,31.72 C89.1 25.98,31.72 C88.1 ; U17.3 v1(41.9,7.53)
  Bottom Layer w0.25: 14.75,41.12 14.35,40.72 C96.1
  Bottom Layer w0.3: 7.6,58.88 7.6,62.22 ; 29.02,34.92 v1(29.6,34.92) ; 29.02,34.92 28.42,34.32 28.42,33.25 v1(28.95,32.72) ; 29.02,34.92 28.6,34.92 C86.1 ; C82.1 C80.1 ; C82.1 27.2,37.7 27.62,37.27 27.62,36.8 ; C82.1 C83.1 ; C90.1 43.85,5.14 CN1.6 ; C90.1 v1(44.5,5.6) ; C90.1 43.85,5.95 44.23,6.32 U18.2 v1(44.92,6.85) 44.92,8.2 43.42,9.7 v1(43.42,11.1) ; 27.62,36.8 27.62,36.6 26.92,35.9 C84.1 C83.1 ; 27.62,36.8 C83.1 ; v1(22.35,40.52) 22.35,39.82 C78.1 ; v1(22.35,40.52) 22.35,41.42 22.33,41.45 ; v1(22.35,40.52) arc(22.49,40.43) 22.65,40.4 C76.1 C74.1 22.69,41.3 arc(22.49,41.34) 22.33,41.45 ; v1(19.73,24.03) 19.73,24.03 19.32,24.03 ; 28.4,36.55 28.4,35.88 28.5,35.77 ; v1(17.3,24.02) 17.3,24.03 19.32,24.03 ; 15.67,36.72 15.7,36.75 v1(15.7,36.97) 15.7,38.9 v1(15.67,38.92) ; 3.25,58.88 3.25,62.22 ; 22,41.78 22.33,41.45 ; 22.33,41.45 22.23,41.36 ; C85.1 32.67,35.12 v1(32.67,34.92) ; v1(20.95,40.4) C77.2 C79.1 ; U16.2 v1(26.01,17.51) ; CN6.6 11.24,28.27 v1(12.85,28.27) ; 5.47,58.92 5.47,62.27 ; 19.32,24.03 v1(18.23,24.03) ; 30.37,39.22 30.87,39.22 31.27,38.82 v1(31.27,38.55) ; 49.8,21.88 49.57,22.1 v1(49.57,23.12) 49.57,24.47 v1(49.98,24.88) 50.37,24.88 50.6,25.1 v1(50.6,25.5) 50.6,25.5 v1(50.6,27.45) 50.53,27.52 49.42,27.52 v1(49.35,27.45) v1(47.67,27.45) 45.42,27.45 45.08,27.1 v1(45.08,26.07) 45.08,24.77 v1(45.1,24.75) v1(46.52,24.75) 46.75,24.75 v1(47.98,23.52) 47.98,22 v1(48.1,21.88) 48.1,20.95 48.6,20.45 49.33,20.45 49.77,20.9 v1(49.77,21.88) ; 21.55,34.15 C87.1
  Bottom Layer w0.4: U15.2 35.8,23.02 35.33,23.5 v1(34.25,23.5)
  Bottom Layer w0.45: v1(18.67,59.45) 18.67,62.38 ; v1(13.02,59.45) 13.02,62.38 ; 7.52,49.7 7.52,50.57 v1(7.55,50.6) ; 15.68,46.9 v1(15.68,46.99) ; v1(67.59,56.38) v1(69.35,54.62) v1(69.35,4) arc(68.94,3.03) v1(67.97,2.62) 61.67,2.62 46.91,2.62 v1(44.91,0.62) 13.76,0.62 v1(13.11,1.28) v1(11.76,2.62) v1(2.06,2.62) arc(1.05,3.05) 0.62,4.06 v1(0.62,56.38) v1(67.59,56.38)